# Altium PCB DC_DC.PcbDoc
Units mm, origin at the board's own origin, x right, y up, seen from the top; angles counter-clockwise.
Board outline 100 x 100 mm, 2 copper layers (Top Layer, Bottom Layer); 68 components, 33 nets, 166 pads, 13 vias.
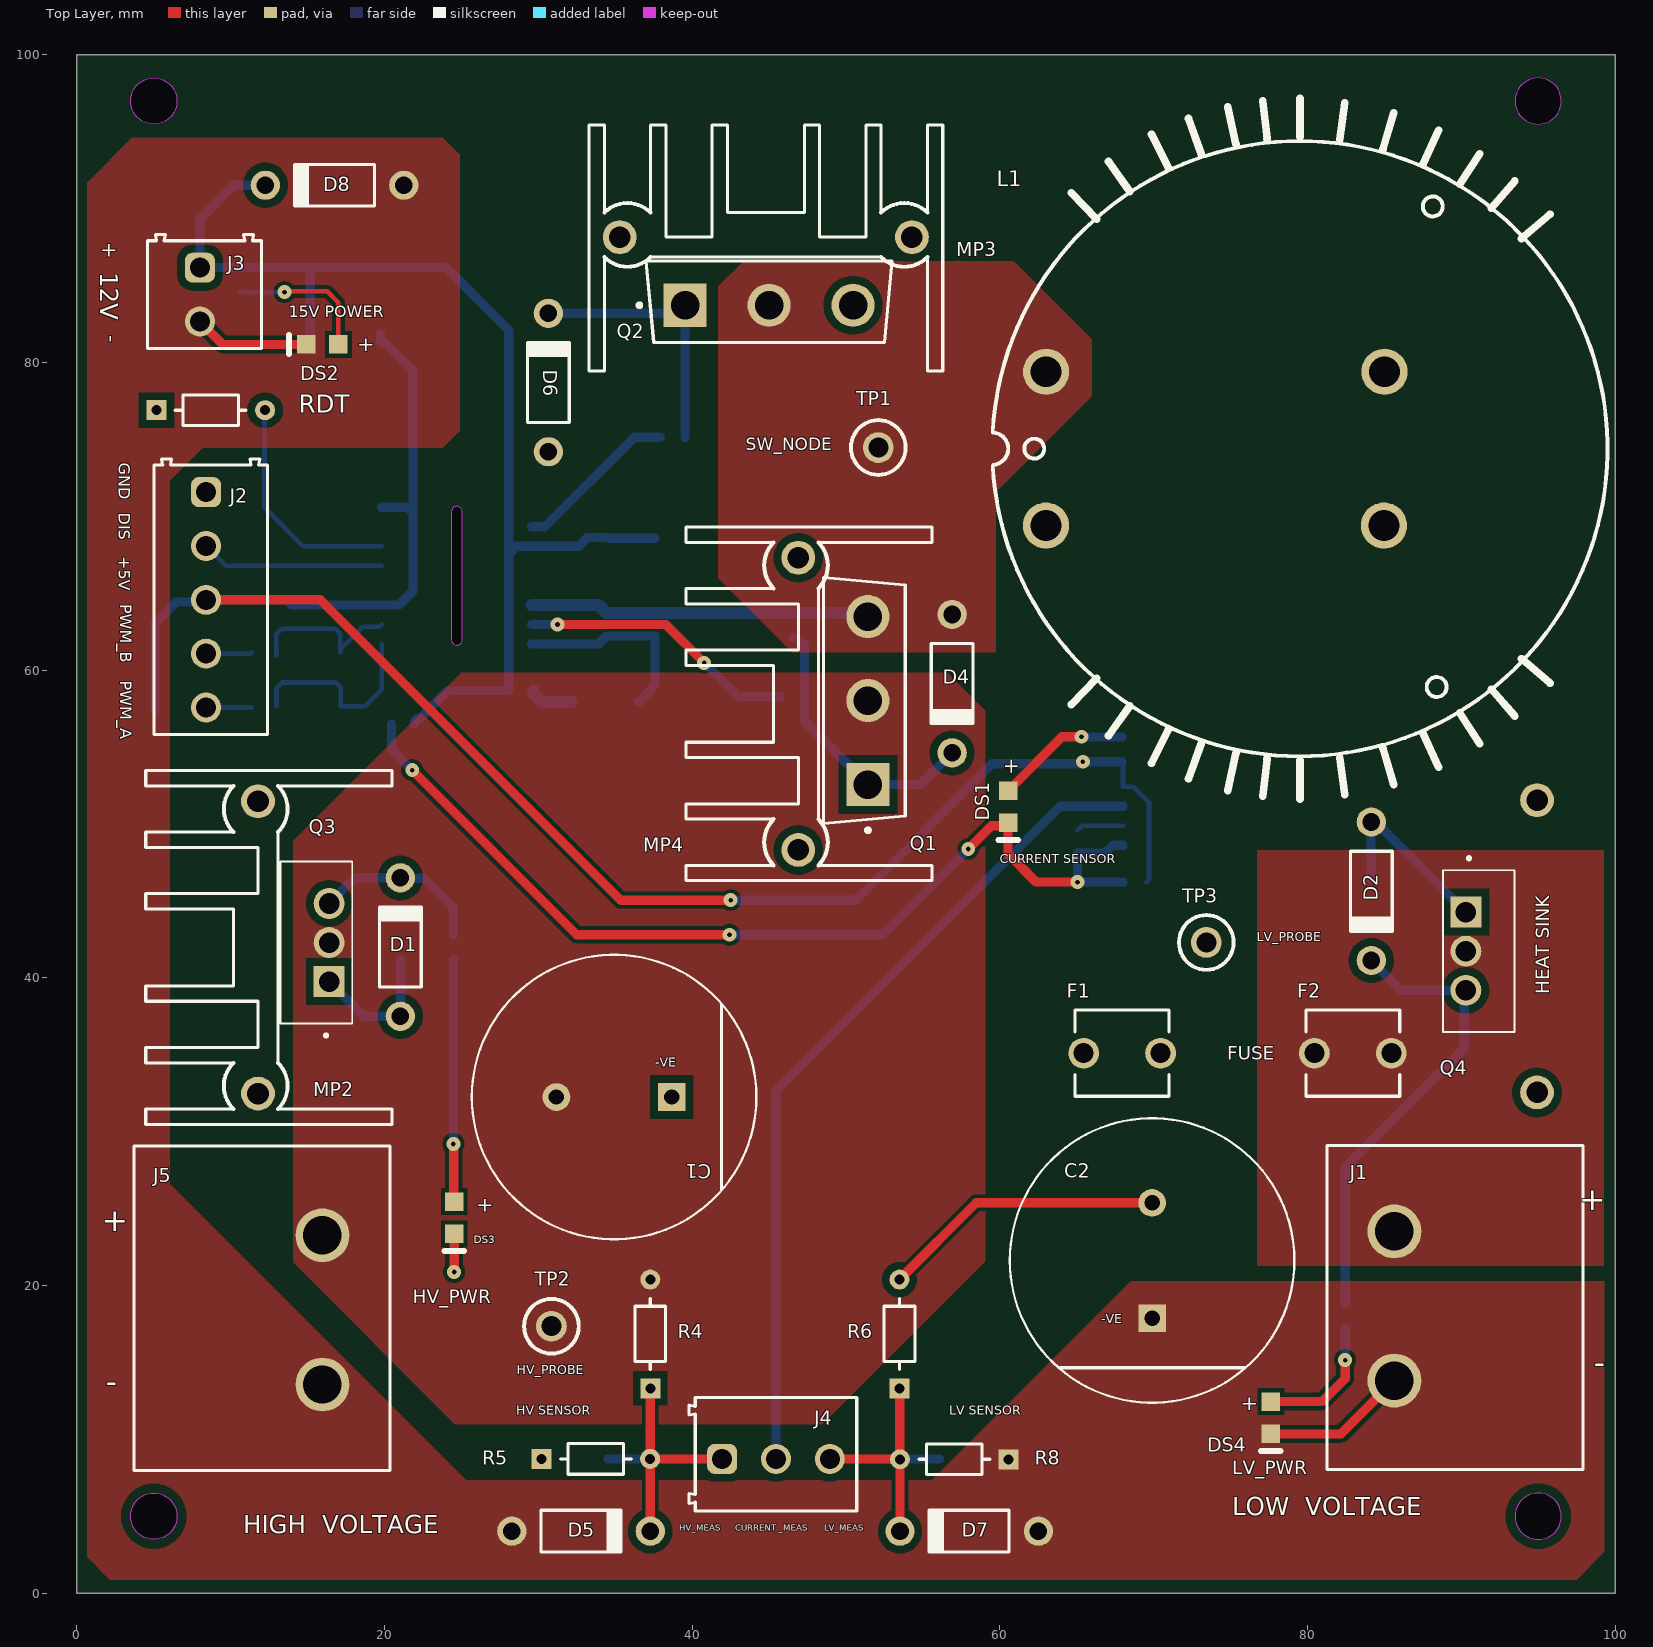
[diagram p0: Top Layer view]
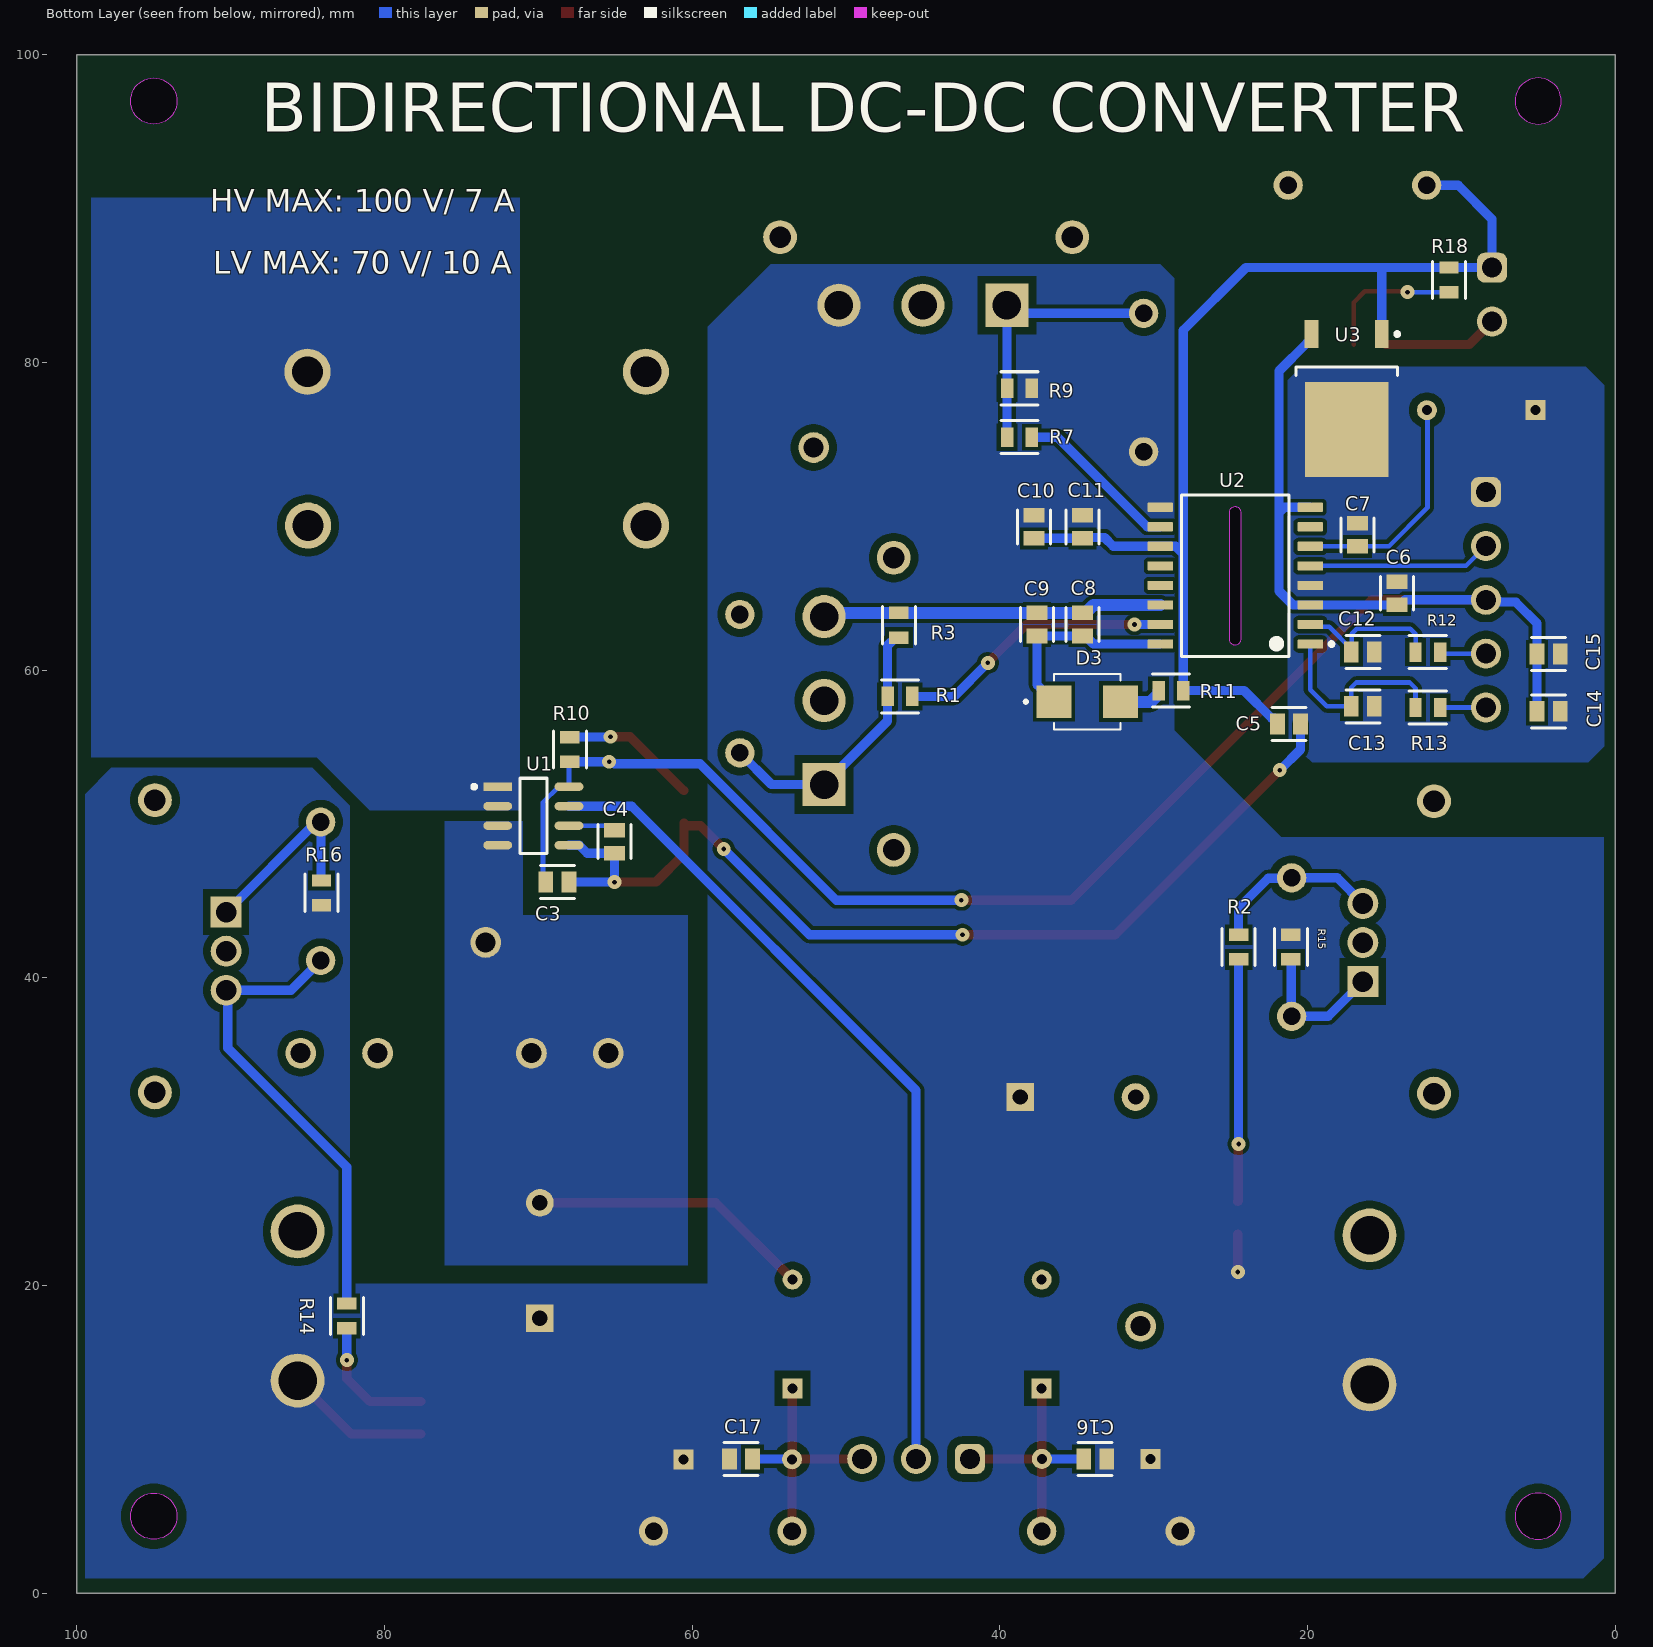
[diagram p1: Bottom Layer view, seen from below]
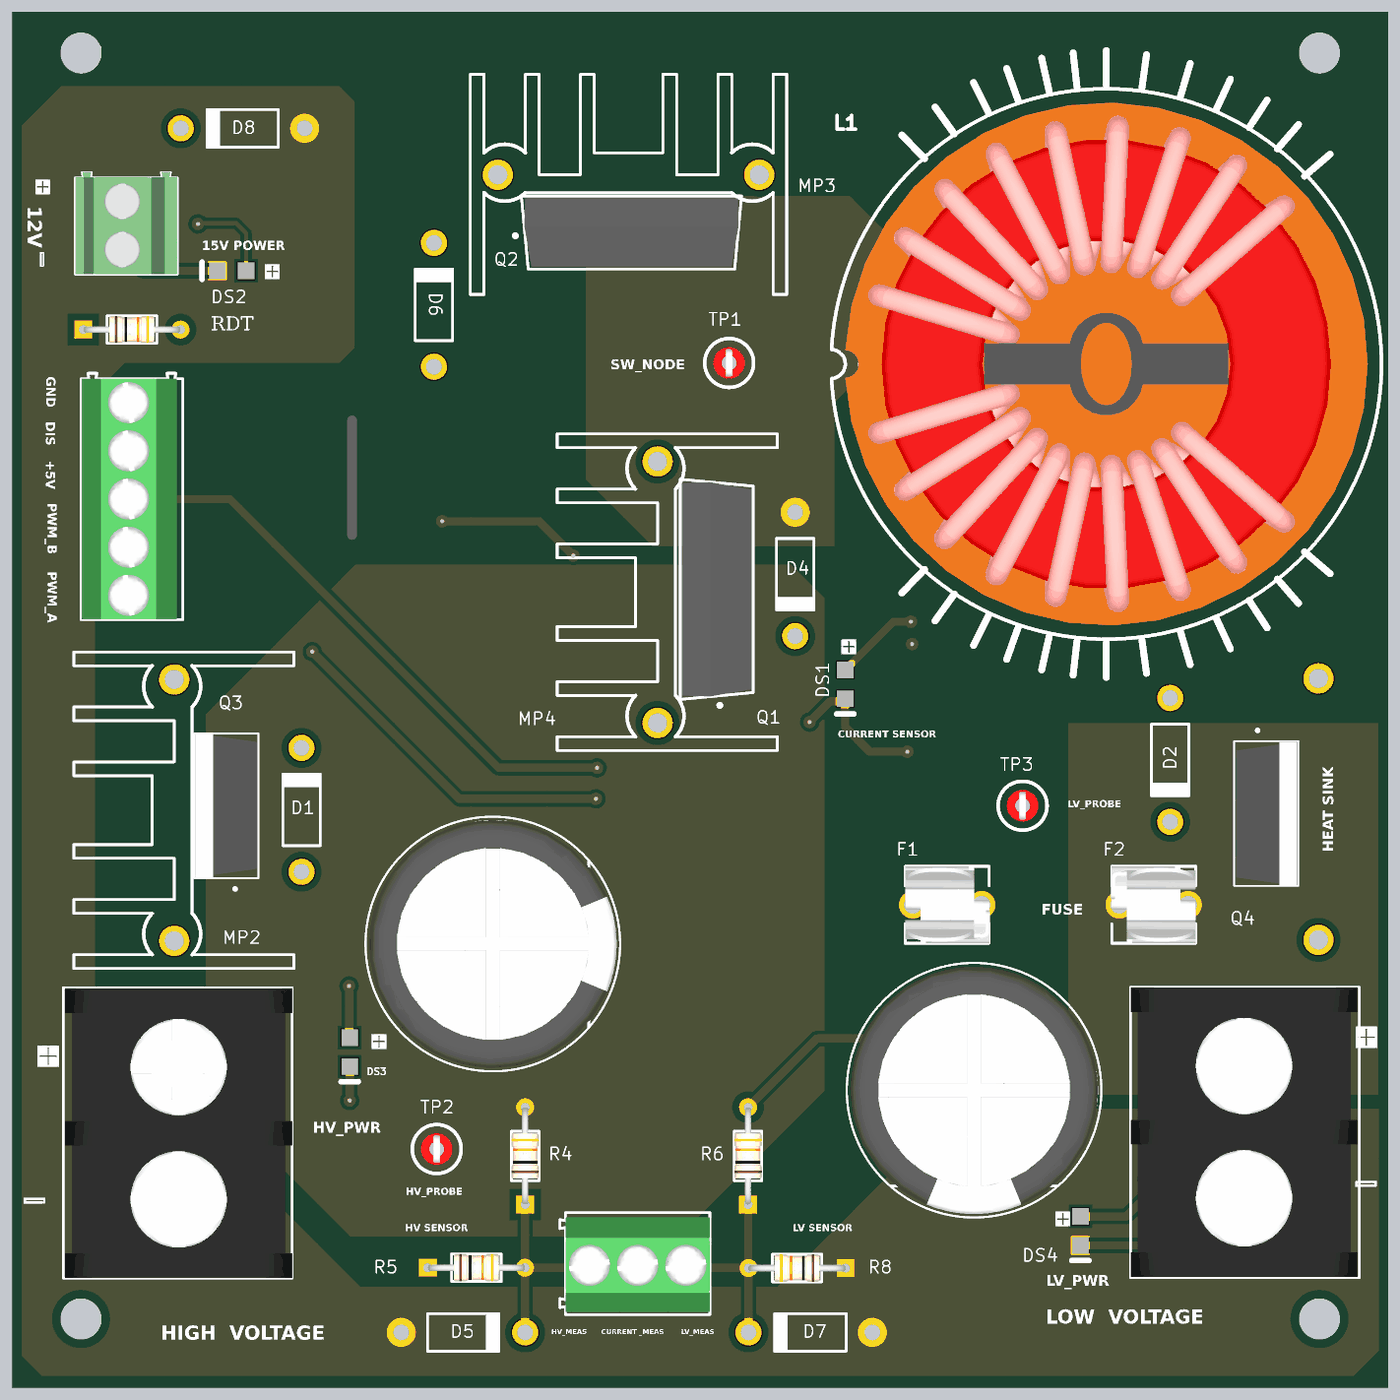
[diagram p2: 3D render of the assembled board from above, using the file's embedded part models]
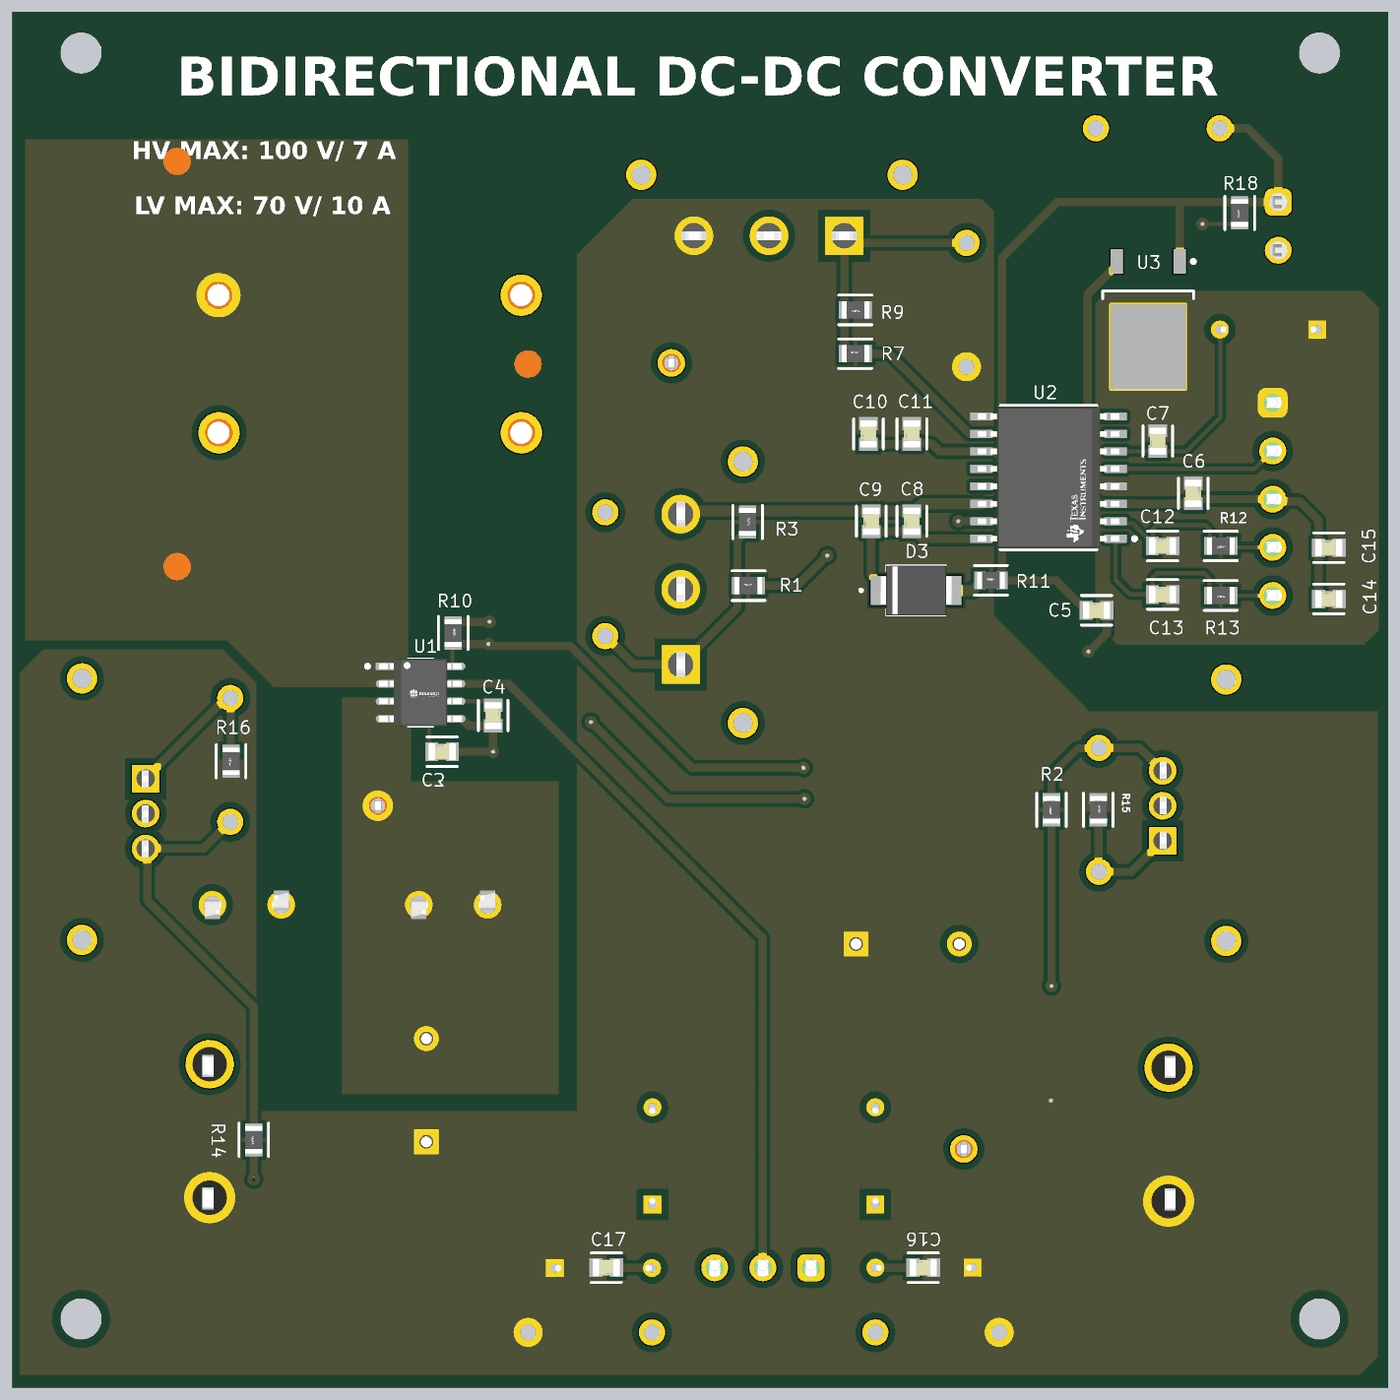
[diagram p3: 3D render of the assembled board from below, using the file's embedded part models]

## Layer stack, top to bottom
Top Solder: solder mask 0.0102, Solder Resist, Dk 3.5
Top Layer: signal copper 0.0356
Dielectric 1: dielectric 0.32, FR-4, Dk 4.8
Bottom Layer: signal copper 0.0356
Bottom Solder: solder mask 0.0102, Solder Resist, Dk 3.5

## Board outline
0,0 0,100 100,100 100,0
cut-out: 93.5,97 ccw(c95,97) 95,95.5 ccw(c95,97) 96.5,97 ccw(c95,97) 95,98.5 ccw(c95,97)
cut-out: 5,95.5 cw(c5,97) 3.5,97 cw(c5,97) 5,98.5 cw(c5,97) 6.5,97 cw(c5,97)
cut-out: 93.5,5 ccw(c95,5) 95,3.5 ccw(c95,5) 96.5,5 ccw(c95,5) 95,6.5 ccw(c95,5)
cut-out: 3.5,5 cw(c5,5) 5,6.5 cw(c5,5) 6.5,5 cw(c5,5) 5,3.5 cw(c5,5)
cut-out: 24.35,61.975 ccw(c24.7,61.975) 25.05,61.975 25.05,70.3 ccw(c24.7,70.3) 24.35,70.3

## Design rules (kind name [scope] priority, off if disabled: settings)
BoardOutlineClearance [All] p1: gap=0.35 ignorepadtopadclearanceinfootprint=FALSE
Clearance [All] p1: gap=0.254 ignorepadtopadclearanceinfootprint=FALSE except(0: Arc-Hole Track-Hole SMDPad-Hole THPad-Hole Via-Hole Fill-Hole Poly-Hole Region-Hole Text-Hole; 0.3: SMDPad-THPad; 0.35: Arc-SMDPad Arc-THPad Arc-Via Track-SMDPad Track-THPad Track-Via Via-Via; 0.4: Arc-Arc Arc-Track Track-Track; 0.5: THPad-THPad THPad-Fill THPad-Poly THPad-Region; 0.6: Fill-Fill Fill-Poly Fill-Region Poly-Poly Poly-Region Region-Region)
HoleSize [All] p1: absolutevalues=TRUE maxlimit=6.3 minlimit=0.25 maxpercent=80.000 minpercent=20.000
HoleToHoleClearance [All] p1: gap=0.55 allowstackedmicrovias=TRUE
MinimumAnnularRing [All] p1: minimumring=0.3
MinimumSolderMaskSliver [All] p1: minsoldermaskwidth=0.1
PlaneClearance [All] p1: clearance=1
PlaneConnect [All] p1: planeconnectstyle=Direct reliefexpansion=0.508 reliefentries=4 reliefconductorwidth=0.254 reliefairgap=0.254
PolygonConnect [All] p1: connectstyle=Direct reliefconductorwidth=0.254 reliefentries=4 polygonreliefangle="90 Angle" airgapwidth=0.254
RoutingVias [All] p1: holewidth=0.35 width=0.5 viastyle="Through Hole" minholewidth=0.2 minwidth=0.4 maxholewidth=0.8 maxwidth=1.27
SolderMaskExpansion SolderMaskExpansion_Via [IsVia] p1: expansion=0.102 istentingtop=TRUE
SolderMaskExpansion [All] p2: expansion=0.102 istentingtop=FALSE useseparateexpansions=TRUE expansionbottom=0.102 istentingbottom=FALSE soldermaskfromhole=TRUE
Width [All] p1: maxlimit=2 minlimit=0.2 preferedwidth=0.6 minimp=50.000000 maximp=50.000000 favimp=50.000000
25 further rules are at their usual default settings.

## Classes and differential pairs
component class DC_DC_CONTROL: C5 C6 C7 C8 C9 C10 C11 C12 C13 C14 C15 D3 D8 DS2 J3 R11 R12 R13 R18 RDT U2 U3
component class DC_DC_Power: C1 C2 C3 C4 C16 C17 D1 D2 D4 D5 D6 D7 DS1 DS3 DS4 F1 F2 J1 J2 J4 J5 L1 Q1 Q2 Q3 Q4 R1 R2 R3 R4 R5 R6 R7 R8 R9 R10 R14 R15 R16 TP1 TP2 TP3 U1

## Components (designator, comment, footprint, x,y, rotation, side; value= is the part's Value field where it differs from the comment)
C1 "22uF" FP-RAD-TH-D_18_0_5-L_31_5-MFG 34.925,32.25 r180 top
C2 "22uF" FP-RAD-TH-D_18_0_5-L_31_5-MFG 69.9,21.625 r90 top
C3 "220 nF" FP-C0805C-DN-MFG 68.759,46.225 r180 bottom value="0.22 μF"
C4 "1 nF" FP-C0805C-DN-MFG 65.05,48.85 r270 bottom value="0.22 μF"
C5 "220 nF" FP-C0805C-DN-MFG 21.2,56.5 r180 bottom value="0.22 μF"
C6 "220 nF" FP-C0805C-DN-MFG 14.175,65 r270 bottom value="0.22 μF"
C7 "2.2 nF" FP-C0805C-DN-MFG 16.754,68.801 r90 bottom value="0.22 μF"
C8 "220 nF" FP-C0805C-DN-MFG 34.625,62.971 r90 bottom value="0.22 μF"
C9 "10 uF" FP-C0805C-DN-MFG 37.575,62.971 r90 bottom value="0.22 μF"
C10 "220 nF" FP-C0805C-DN-MFG 37.775,69.321 r90 bottom value="0.22 μF"
C11 "10 uF" FP-C0805C-DN-MFG 34.625,69.321 r90 bottom value="0.22 μF"
C12 "20 pF" FP-C0805C-DN-MFG 16.4,61.175 r180 bottom value="0.22 μF"
C13 "20 pF" FP-C0805C-DN-MFG 16.4,57.65 r180 bottom value="0.22 μF"
C14 "2.2 uF" FP-C0805C-DN-MFG 4.325,57.325 r180 bottom value="0.22 μF"
C15 "220 nF" FP-C0805C-DN-MFG 4.325,61.05 r180 bottom value="0.22 μF"
C16 "470 pF" FP-C0805C-DN-MFG 33.8,8.725 r180 bottom value="0.22 μF"
C17 "470 pF" FP-C0805C-DN-MFG 56.825,8.725 r0 bottom value="0.22 μF"
D1 "1N4744A" FAIR-DO-41-2_V 21.025,42 r90 top
D2 "1N4744A" FAIR-DO-41-2_V 84.15,45.627 r270 top
D3 "ES3GB" DIOM4336X265N 34.31,57.95 r180 bottom
D4 "1N4744A" FAIR-DO-41-2_V 56.9,59.125 r270 top
D5 "1N4728A" FAIR-DO-41-2_V 32.775,4.025 r0 top
D6 "1N4744A" FAIR-DO-41-2_V 30.65,78.7 r90 top
D7 "1N4728A" FAIR-DO-41-2_V 58.007,4.025 r180 top
D8 "1N4744A" FAIR-DO-41-2_V 16.75,91.525 r180 top
DS1 "HSMG-C170" AVAG-HSMX-C170_V 60.538,51.12 r270 top
DS2 "HSMG-C170" AVAG-HSMX-C170_V 15.95,81.175 r180 top
DS3 "HSMG-C170" AVAG-HSMX-C170_V 24.525,24.4 r270 top
DS4 "HSMG-C170" AVAG-HSMX-C170_V 77.625,11.4 r270 top
F1 "0751.0110" FP-0751_0110-MFG 67.95,35.1 r180 top
F2 "0751.0110" FP-0751_0110-MFG 82.95,35.1 r0 top
J1 "Barrier_2_pins" PCBComponent_1#1 85.65,18.666 r90 top
J2 "KF350-5P" PCBComponent_1#2 8.4,64.575 r270 top
J3 "12V_Connector" 691214110002 8.296,84.415 r270 top
J4 "KF350-3P" PCBComponent_1#3 45.45,8.725 r0 top
J5 "Barrier_2_pins" PCBComponent_1#1 15.964,18.41 r270 top
L1 "Common Mode Choke" PCBComponent_1#4 79.51,74.4 r90 top
MP2 "Heat Sink" PCBComponent_1#5 12.475,41.975 r90 top
MP3 "Heat Sink" PCBComponent_1#5 44.788,87.45 r0 top
MP4 "Heat Sink" PCBComponent_1#5 47.6,57.813 r90 top
Q1 "IRFP4227PBF" FP-PG-TO247-3-MFG 51.198,58.025 r180 top
Q2 "IRFP4227PBF" FP-PG-TO247-3-MFG 45,83.95 r90 top
Q3 "IRF9540N" PCBComponent_1#6 16.451,42.301 r90 top
Q4 "IRF9540N" PCBComponent_1#6 90.249,41.724 r270 top
R1 "33" FP-RC0805-0_6-IPC_C 46.497,58.292 r180 bottom
R2 "7.5k" FP-RC0805-0_6-IPC_C 24.475,42 r90 bottom
R3 "47K" FP-RC0805-0_6-IPC_C 46.56,62.919 r270 bottom
R4 "200K" PCBComponent_1#7 37.275,16.85 r90 top
R5 "200K" PCBComponent_1#7 33.734,8.725 r0 top
R6 "200K" PCBComponent_1#7 53.475,16.85 r90 top
R7 "33" FP-RC0805-0_6-IPC_C 38.725,75.15 r180 bottom
R8 "200K" PCBComponent_1#7 57.041,8.7 r180 top